# Altium PCB DRS4-PCB.PcbDoc (part 10 of 15) (continued)
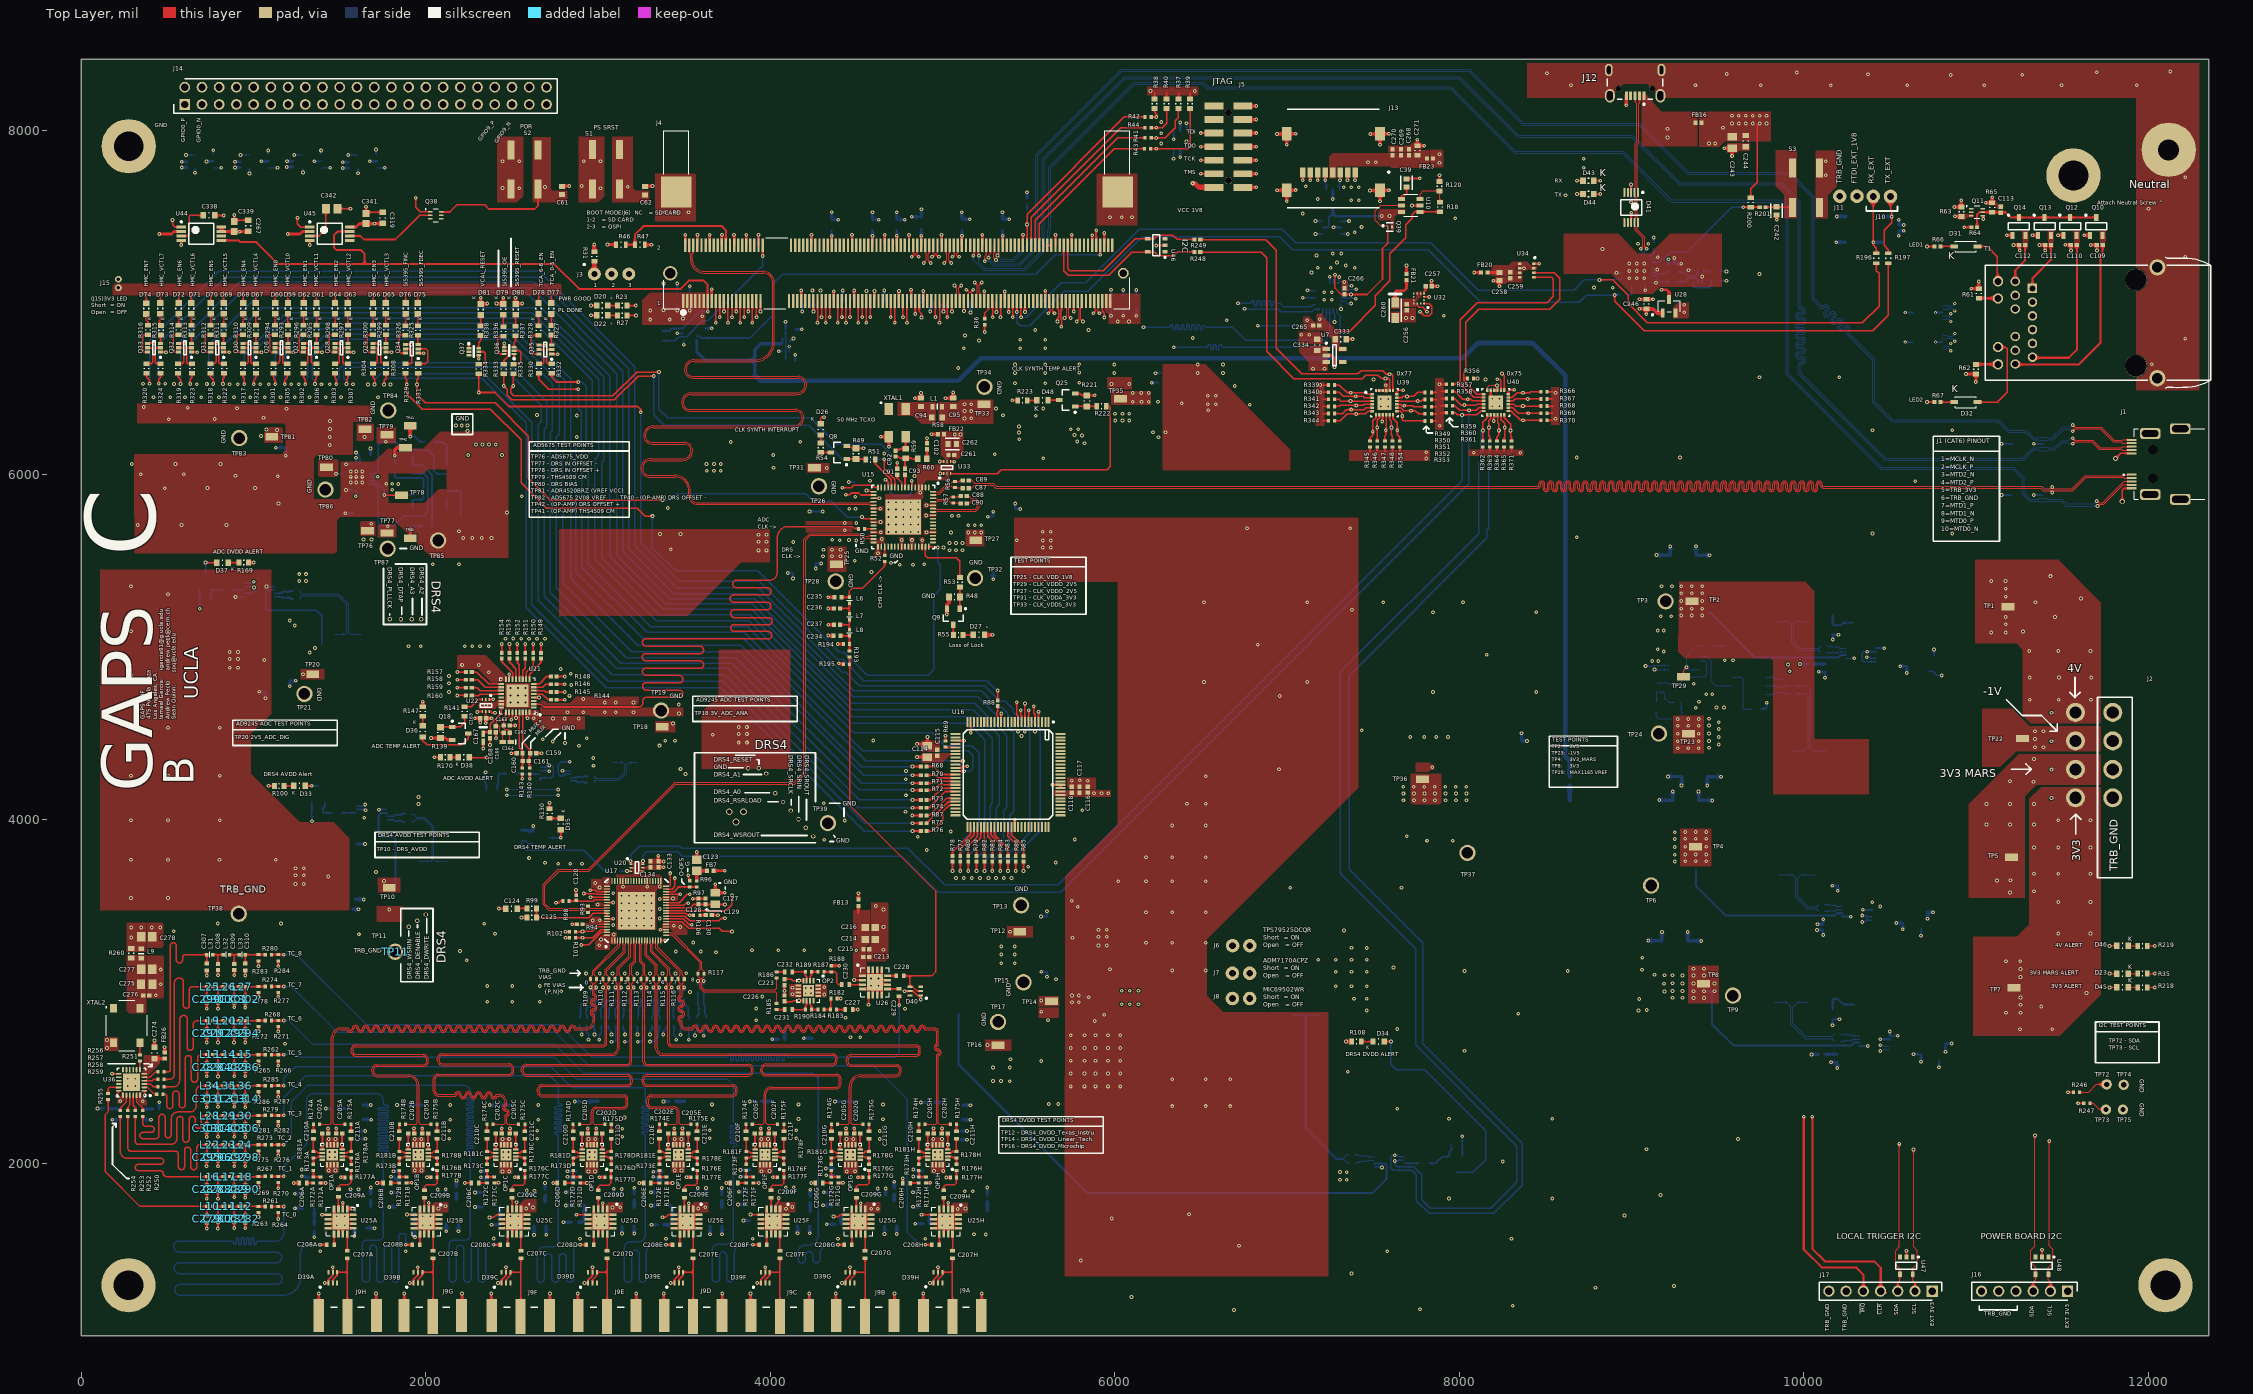
[diagram p0: Top Layer view]
## Nets (pads, with @x,y where several pads share a name; then routed paths per layer and width w, separated by ;. In a path a pad name is that pad's centre, name@x,y a point inside that pad or via, vN(x,y) a via of type N, cw(c..) or ccw(c..) an arc to the next point about the centre after c; other vN are vias at no path point) (continued)
  Bottom Layer w8.72: D50.3@7302.4,7653.15 7302.02,7653.53 7302.02,7683 7304.61,7685.59 7304.61,7706.19 v1(7307.09,7708.66) ; U35.20@7314.34,7066.53 7324.53,7066.53 7352.13,7066.54 7360.35,7074.76 v1@7401.22,7074.76
SD_DAT0: D49.4 J13.7 U35.18 | length 989.3
  Top Layer w8.72: v1@7134.25,7709.02 J13.7@7134.25,7753.74
  Signal Layer 3 w4.8: v1(7133.86,7708.66) 7133.86,7679.21 7133.86,7656.82 cw(c7126.46,7656.82) 7126.46,7649.42 7126.26,7649.42 ccw(c7126.26,7642.02) 7126.26,7634.62 7141.46,7634.62 cw(c7141.46,7627.22) 7141.46,7619.83 7126.26,7619.83 ccw(c7126.26,7612.43) 7126.26,7605.03 7141.46,7605.03 cw(c7141.46,7597.63) 7141.46,7590.23 7126.26,7590.23 ccw(c7126.26,7582.83) 7126.26,7575.44 7126.46,7575.44 cw(c7126.46,7568.04) 7133.86,7568.04 7133.86,7565.64 7133.86,7551.14 7194,7491 7194,7427.07 v1(7164.57,7397.64) 7194,7368.2 7194,7290.86 7203.88,7280.98 7205.58,7279.29 ccw(c7210.81,7284.52) 7216.04,7279.29 7216.18,7279.43 cw(c7221.42,7274.2) 7226.65,7279.43 cw(c7221.42,7274.2) 7226.65,7268.97 7215.9,7258.22 ccw(c7221.13,7252.99) 7215.9,7247.75 ccw(c7221.13,7252.99) 7226.36,7247.75 7237.11,7258.51 cw(c7242.34,7253.27) 7247.57,7258.51 cw(c7242.34,7253.27) 7247.57,7248.04 7236.82,7237.29 ccw(c7242.05,7232.06) 7236.82,7226.83 ccw(c7242.05,7232.06) 7247.28,7226.83 7247.43,7226.97 cw(c7252.66,7221.74) 7257.89,7226.97 7267.93,7216.93 7302.02,7182.85 v1(7302.02,7147.39)
  Bottom Layer w8.72: v1(7164.57,7397.64) D49.4@7206.14,7397.64 ; U35.18@7286.65,7111.8 7296.13,7111.8 7302.02,7117.69 v1(7302.02,7147.39)
SD_DAT1: D49.6 J13.8 U35.16 | length 994.2
  Top Layer w8.72: v1@7090.94,7709.02 J13.8@7090.94,7753.74
  Signal Layer 3 w4.8: v1(7090.55,7708.66) 7090.55,7704.84 7083.13,7697.42 7083.13,7553.88 v1(7164.57,7472.44) 7130.2,7438.08 7130.2,7374.96 7130.2,7362.36 ccw(c7137.6,7362.36) 7137.6,7354.96 7137.8,7354.96 cw(c7137.8,7347.57) 7137.8,7340.17 7122.6,7340.17 ccw(c7122.6,7332.77) 7122.6,7325.37 7137.8,7325.37 cw(c7137.8,7317.97) 7137.8,7310.57 7122.6,7310.57 ccw(c7122.6,7303.18) 7122.6,7295.78 7137.8,7295.78 cw(c7137.8,7288.38) 7137.8,7280.98 7122.6,7280.98 ccw(c7122.6,7273.58) 7122.6,7266.19 7137.8,7266.19 cw(c7137.8,7258.79) 7137.8,7251.39 7122.6,7251.39 ccw(c7122.6,7243.99) 7122.6,7236.59 7122.8,7236.59 cw(c7122.8,7229.2) 7130.2,7229.2 7130.2,7226.8 7130.2,7216.8 7198.42,7148.58 v1(7247.28,7148.58)
  Bottom Layer w8.72: v1(7164.57,7472.44) D49.6@7206.14,7472.44 ; U35.16@7247.28,7111.8 v1(7247.28,7148.58)
SD_DAT2: D49.1 J13.1 U35.23 | length 991.2
  Top Layer w8.72: v1@7394.09,7709.02 J13.1@7394.09,7753.74
  Signal Layer 3 w4.8: v1(7372.68,6993.27) 7432.27,6993.27 7448,7009 7448,7385.49 7361.05,7472.44 v1(7359.69,7472.44) 7393.7,7506.45 v1(7393.7,7708.66)
  Bottom Layer w8.72: U35.23@7312.25,7007.48 7333.74,7007.48 7347.95,6993.27 v1(7372.68,6993.27) ; D49.1@7312.44,7472.44 v1(7359.69,7472.44)
SD_DAT3: D49.3 J13.2 U35.22 | length 1041.5
  Top Layer w8.72: v1@7350.79,7709.02 J13.2@7350.79,7753.74
  Signal Layer 3 w4.8: v1(7350.39,7708.66) 7350.39,7506.39 7326,7482 7326,7458.29 7351.89,7432.4 v1(7351.89,7397.64) 7351.89,7396.54 7368.43,7380 7397,7380 7413,7364 7413,7335.87 7413,7319.49 cw(c7405.6,7319.49) 7405.6,7312.09 ccw(c7405.6,7304.69) 7405.6,7297.29 7415.52,7297.29 cw(c7415.52,7289.9) 7415.52,7282.5 7405.4,7282.5 ccw(c7405.4,7275.1) 7405.4,7267.7 7420.6,7267.7 cw(c7420.6,7260.3) 7420.6,7252.9 7405.4,7252.9 ccw(c7405.4,7245.51) 7405.4,7238.11 7405.6,7238.11 cw(c7405.6,7230.71) 7413,7230.71 7413,7228.31 7413,7155 7423,7145 7423,7045.13 v1(7398.78,7020.91)
  Bottom Layer w8.72: U35.22@7312.25,7027.17 7345.6,7027.17 7348.36,7024.4 7398.78,7024.4 v1(7398.78,7020.91) ; D49.3@7312.44,7397.64 v1(7351.89,7397.64)
SDA: J16.3 J17.3 R246.1 R248.1 U39.20 U40.20 U47.4 U48.4 | length 12072.3
  Top Layer w6: v1(11533.55,2414.93) R246.1@11565.49,2414.92
  Top Layer w6.12: J17.3@10545,1260 10545,1307.8 10557.6,1320.4 U47.4@10557.6,1357.8 10557.6,1391.4 10532,1417 10532,1495 10554.12,1517.12 v1(10554.12,2115.06) ; J16.3@11331,1260 11331,1312 11344.6,1325.6 U48.4@11344.6,1357.8 11344.6,1400.11 11318,1426.71 11318,1498 11341.39,1521.39 v1(11341.39,2163.95)
  Top Layer w7.87: R248.1@6494,7291.74 6850.03,7291.74 6881.26,7260.52 6881.26,6715.55 7038.95,6557.85 7435.33,6557.85 7455.74,6578.25 7526.58,6578.25 7545.73,6559.1 v1(7571.38,6559.1) 7587.5,6559.1 7594.68,6551.93 U39.20@7594.68,6488.66 ; v1(8219.18,6554.86) 8232.84,6554.86 8241.14,6546.55 U40.20@8241.14,6489.72
  Top Layer w10: J17.3@10556.02,1250.91 J17.3@10556.31,1251.19
  Signal Layer 3 w7.25: v1(7571.38,6559.1) 7595.63,6559.1 7601.56,6553.18 7654.21,6553.18 7695.6,6594.57 8162.28,6594.57 8201.99,6554.86 v1(8219.18,6554.86)
  Signal Layer 4 w6.12: v1(8219.18,6554.86) 8355.3,6554.86 8412.43,6497.73 9895.66,6497.73 10934.3,5459.1 10934.3,3693.42 11533.39,3094.33 11533.39,2257.45 11439.9,2163.95 v1(11341.39,2163.95) 11310.22,2163.95 11261.32,2115.06 v1(10554.12,2115.06)
SDA_3V3_INA226: R364.1 U29.4 U40.10 | length 5581.6
  Top Layer w7.87: R364.1@8218.02,6195.2 8218.02,6218.19 8229.19,6229.35 v1(8229.19,6257.13) 8229.19,6294.42 8221.46,6302.15 U40.10@8221.46,6347.99
  Signal Layer 3 w7.25: v1(8229.19,6257.13) v1@8229.19,6261.11 ; v1@8231.42,6254.14 8231.42,6223.72 8200.81,6193.11 8200.81,5573.58 8829.5,4944.89 8829.5,3230.02 9392.22,2667.29 10237.8,2667.29 10305.92,2599.17 10482.38,2599.17 10507.34,2624.13 10507.34,2662.8 10483.13,2687.01 v1(10442.91,2687.01)
  Bottom Layer w5: v1(10442.91,2687.01) 10443.42,2686.5 10459.5,2686.5 10462.87,2683.13 U29.4@10498.49,2683.13
SDA_4V_INA226: R367.1 U30.4 U40.16 | length 3219.1
  Top Layer w7.87: U40.16@8282.48,6428.7 8312.64,6428.7 8323.94,6440 R367.1@8473.9,6440
  Signal Layer 3 w7.25: v1@8396.18,6440 8428.66,6440 8494.17,6505.51 9344.51,6505.51 10305.59,5544.43 10305.59,4996.42 10361.89,4940.12 v1(10365.08,4940.12)
  Bottom Layer w7.87: v1(10365.08,4940.12) 10380.47,4940.12 10386.84,4933.75 U30.4@10419.94,4933.75
  other v1: 8396.18,6439.57
SDA_-1V_MAX116: R369.1 U40.14 U49.6 | length 2402.8
  Top Layer w7.87: U40.14@8282.48,6389.33 8309.21,6389.33 8341.68,6356.86 R369.1@8473.9,6356.85
  Signal Layer 3 w7.25: v1(8399.88,6356.85) 8427.32,6356.85 8442.32,6371.85 8888.57,6371.85 9021,6239.42 9021,4950.07 9081,4890.07 v1(9081,4890)
  Bottom Layer w7.25: v1(9081,4890) 9082.65,4888.35 9120,4888.35 9125.86,4894.2 U49.6@9219.35,4894.2
SDA_ADCINA226_AVDD: R354.1 U23.4 U39.12 | length 6092.1
  Top Layer w7.87: U39.12@7614.37,6346.93 7614.37,6327.59 7639.57,6302.38 v1@7639.57,6267.13 ; v1(7639.57,6258.39) 7639.57,6231.77 7654.43,6216.91 R354.1@7654.43,6195.2
  Signal Layer 3 w7.25: v1@2717.78,4278.11 2741.39,4278.11 2751.21,4287.93 2751.21,4335.77 2810.92,4395.49 4093.67,4395.49 4359.88,4661.7 5280.51,4661.7 5361.08,4742.27 5858.73,4742.27 6640.18,5523.72 7090.71,5523.72 7639.57,6072.57 v1(7639.57,6258.39)
  Bottom Layer w9.84: U23.4@2663.94,4280.9 2714.99,4280.9 v1(2716.81,4279.08)
SDA_ADCINA226_DVDD: R345.1 U24.2 U24.4 U39.7 | length 7672.2
  Top Layer w7.87: R345.1@7480.53,6195.18 7480.53,6211.73 7497.1,6228.3 v1(7497.1,6249.69) 7497.1,6312.23 7515.94,6331.07 U39.7@7515.94,6346.93
  Signal Layer 3 w7.25: v1(1001.54,5344.88) 1028.34,5344.88 1051.43,5321.79 3160.46,5321.79 3244.64,5237.61 3648.95,4833.3 5001.57,4833.3 5062.01,4893.73 5329.52,4893.73 6157.66,5721.87 6157.66,5850.55 6473.66,6166.55 7385.74,6166.55 7468.88,6249.69 v1(7497.1,6249.69)
  Bottom Layer w7.87: U24.2@947.41,5311.02 987.59,5311.02 1001.54,5324.97 v1(1001.54,5344.88) 996.03,5350.39 U24.4@947.41,5350.39
SDA_ADCTMP112: R347.1 U22.4 U22.6 U39.10 | length 6262.9
  Top Layer w7.87: v1(2297.44,4622.91) 2300.01,4625.49 U22.4@2328.25,4625.49 ; U22.6@2367.62,4625.49 2375.42,4625.49 2383.43,4617.48 v1(2401.06,4617.48) ; R347.1@7567.48,6195.18 7567.48,6224.71 7573.15,6230.38 v1(7573.15,6258.39) ; v1@7575,6258.39 U39.10@7575,6346.93
  Signal Layer 3 w7.25: v1@2307.21,4618.43 2561.28,4618.43 2574.7,4631.85 2706.33,4631.85 2716.93,4642.44 2957.74,4642.44 3024.79,4709.48 3172.59,4709.48 3179.58,4702.49 5127.48,4702.49 5204.9,4779.91 5453.34,4779.91 6270.45,5597.02 6573.06,5597.02 6860.61,5884.57 7353.23,5884.57 7573.15,6104.5 v1@7573.15,6257.39
SDA_BME280: R356.1 U34.3 U40.1 | length 1401.1
  Top Layer w7.87: U40.1@8140.75,6468.07 8101.38,6468.07 8025.18,6544.28 8025.18,6590.42 8035.47,6600.72 8035.47,6885.06 8112.17,6961.76 8524.73,6961.76 8582.32,7019.36 8582.32,7140.6 8550.5,7172.42 U34.3@8430.59,7172.42
  Top Layer w9.84: 8026.56,6558.64 R356.1@8046.85,6558.64
SDA_ClkSensorTMP112: R339.1 U33.6 U39.1 | length 2886
  Top Layer w7.87: v1(4983.67,6076.78) 5004.6,6076.78 U33.6@5005.97,6075.41 ; R339.1@7275.35,6520.24 7303.82,6520.24 7347.8,6476.26 v1(7368.43,6476.26) 7454.13,6476.26 7463.38,6467.01 U39.1@7494.29,6467.01
  Power Layer 10 w6.88: v1(4983.67,6076.78) 5007.17,6076.78 5043.72,6113.32 5268.51,6113.32 5355.39,6026.45 6162.28,6026.45 6443.89,6308.05 7089.89,6308.05 7258.1,6476.26 v1(7368.43,6476.26)
SDA_CY8C9560A: R350.1 U16.28 U39.16 | length 4656.9
  Top Layer w7.87: U39.16@7636.02,6427.64 v1(7757.44,6427.64) 7778.07,6427.64 7786.42,6435.98 R350.1@7801.5,6435.98
  Top Layer w9.84: U16.28@5074.09,4455.98 v1(5125.37,4455.98)
  Signal Layer 3 w7.25: v1(5125.37,4455.98) 5176.51,4404.85 6118.99,4404.85 7227.3,4404.85 7817.62,4995.18 7817.62,6043.3 7842.16,6067.84 7842.16,6326.82 7757.44,6411.54 v1(7757.44,6427.64) v1@7757.44,6428.66
SDA_DAC: R343.1 U37.13 U39.5 | length 7824.1
  Top Layer w7.87: R343.1@7275.35,6354.84 7319.76,6354.84 7342.76,6377.83 v1(7371.65,6377.83) 7447.23,6377.83 7457.67,6388.27 U39.5@7494.29,6388.27
  Signal Layer 3 w7.25: v1(1593.78,6098.38) 1630.94,6098.38 1659.78,6069.53 1659.78,5871.6 1623.19,5835.01 1522.75,5835.01 1427.56,5739.81 1427.56,5575.46 1591.91,5411.11 3336.15,5411.11 3752.69,4994.57 5251.28,4994.57 6054.79,5798.09 6054.79,5914.22 6419.13,6278.56 7170.96,6278.56 7270.23,6377.83 v1(7371.65,6377.83)
  Bottom Layer w9.84: v1(1593.78,6098.38) 1596.28,6095.89 U37.13@1596.28,6060.88
SDA_DRS4INA226: R362.1 U19.2 U19.4 U40.7 | length 6340.4
  Top Layer w7.87: R362.1@8135.31,6195.2 8136.8,6196.68 v1(8136.8,6257.13) 8136.8,6304.39 8162.4,6330 U40.7@8162.4,6347.99
  Bottom Layer w7.87: U19.2@7680.98,2021 7646.37,2021 7640.62,2015.25 v1(7625.25,2015.25) 7625.25,1996.65 7640.28,1981.63 U19.4@7680.98,1981.63 7734.69,1981.63 7781.18,1935.13 7781.18,1791.19 7831.22,1741.15 8182.04,1741.15 8333.53,1892.64 8333.53,2101.87 7745.99,2689.41 7745.99,3248.94 7308.97,3685.96 7308.97,4855.27 8111.24,5657.54 8111.24,6065.41 8124.73,6078.91 8124.73,6256.72 8124.88,6256.58 v1@8136.8,6256.58
SDA_DRS4INA226_AVDD: R352.1 U18.4 U39.14 | length 7731.2
  Top Layer w7.87: U39.14@7636.02,6388.27 7636.61,6388.86 7658.31,6388.86 7675.99,6371.18 v1(7719.02,6371.18) 7744.76,6371.18 7762.66,6353.29 R352.1@7801.5,6353.29
  Signal Layer 3 w7.25: v1(1649.24,4052.31) 1687.49,4052.31 1796.64,4161.46 2242.48,4161.46 2264.61,4139.33 v1(2470,4139.33) ; v1(2769.13,4139.33) 2839.2,4139.33 2881.71,4181.84 3036.43,4181.84 4134.13,4181.84 4197.44,4181.84 4550.66,4535.06 6045.92,4535.06 6636.17,4535.06 7727.23,5626.12 7727.23,6362.97 v1(7719.02,6371.18)
  Bottom Layer w7.25: v1(2470,4139.33) v1(2769.13,4139.33)
  Bottom Layer w7.87: U18.4@1596.9,4056.51 1645.03,4056.51 v1(1649.24,4052.31)
SDA_DRS4TMP112: R360.1 U20.6 U40.5 | length 6559.6
  Top Layer w7.87: U20.6@3259.01,3738.23 3259.01,3756.03 v1(3260.55,3757.57) ; R360.1@7960.24,6400.98 7974.14,6400.97 8001.06,6374.06 v1(8055.16,6374.06) 8097.77,6374.06 8113.05,6389.33 U40.5@8140.75,6389.33
  Bottom Layer w7.87: v1(3260.55,3757.57) 3260.55,3790.43 3280.28,3810.17 3462.89,3810.17 3489.31,3783.76 4763.6,3783.76 4970.85,3576.51 5685.16,3576.51 6215.53,4106.87 8055.16,5946.5 v1(8055.16,6374.06)
SDA_LIS3MDLTR: R358.1 U32.11 U40.3 | length 1429.1
  Top Layer w7.87: U32.11@7755.46,6992.92 7755.46,6982.64 7766.18,6971.91 7786.43,6971.91 v1(7811.74,6946.6) ; R358.1@7960.24,6483.66 7972.16,6483.67 8018.39,6437.44 v1(8048.23,6437.44) 8066.44,6437.44 8075.17,6428.7 U40.3@8140.75,6428.7
  Signal Layer 3 w7.25: v1@7804.57,6940.07 7801.04,6936.54 7801.04,6911.6 7898.89,6813.75 8249.91,6813.75 8327.57,6736.08 8327.57,6544.77 8249.39,6466.59 8096.48,6466.59 8067.33,6437.44 v1(8048.23,6437.44)
SDA_SI5395: R341.1 U15.18 U39.3 | length 5387.5
  Top Layer w7.87: R341.1@7275.35,6437.52 7302.15,6437.54 7312.04,6427.64 v1(7367.45,6427.64) U39.3@7494.29,6427.64
  Top Layer w9.84: v1(4437.09,5884.11) 4460.33,5884.11 4470.35,5894.13 4511.78,5894.13 4523.73,5882.18 U15.18@4599.71,5882.18
  Power Layer 10 w6.88: v1(4437.09,5884.11) 4411.83,5884.11 4382.63,5854.91 4382.63,5739.49 4223.09,5579.96 4223.09,4848.5 4290.18,4781.41 5182.43,4781.41 6569.36,6168.35 7068.41,6168.35 7328.25,6428.19 v1@7366.89,6428.19
SDA_Zynq_INA226: R371.1 U14.4 U40.12 | length 4650.1
  Top Layer w7.87: U40.12@8260.83,6347.99 8260.83,6330.02 8296.81,6294.03 v1(8296.81,6257.13) 8296.81,6224.18 8303,6218 8303,6195.52 R371.1@8302.67,6195.2
  Signal Layer 3 w7.25: v1(8296.81,6257.13) 8296.81,6185 8312.86,6168.95 8312.86,5748.03 8941.76,5119.13 8941.76,3937.7 9482.62,3396.83 10010.02,3396.83 10068.65,3455.46 10155.81,3455.46 10253.34,3357.93 10366.32,3357.93 10375.82,3367.44 10375.82,3431.65 10367.18,3440.29 v1(10338.5,3440.29)
  Bottom Layer w7.87: v1(10338.5,3440.29) 10355.34,3440.29 10361.34,3434.29 U14.4@10397.27,3434.29
SDIO_CLK: R36.2 U35.9 | length 2513.9
  Top Layer w8.72: v1(5243.98,6828.75) R36.2@5243.98,6870.06
  Signal Layer 3 w4.8: v1(5243.98,6828.75) 5243.98,6644.28 5322.31,6565.95 6878.46,6565.95 7035.1,6722.59 7035.1,6971.71 v1(7090.55,7027.17)
  Bottom Layer w8.72: v1(7090.55,7027.17) U35.9@7162.64,7027.16
Si5395_FDEC: R331.1 U15.25 U16.10 | length 5074.4
  Top Layer w7.87: R331.1@1955.59,6589.45 1955.59,6557.19 1948.36,6549.95 v1(1948.36,6523.03) 1948.36,6465.69 1997.73,6416.31 2401.58,6416.31 2593.59,6224.3 2593.59,5980.4 2719.9,5854.09 2720.91,5853.08 v1(3374.24,5853.08) ; v1@4533.42,5754.22 4543.26,5744.38 U15.25@4599.71,5744.38 ; v1@5430.06,4674.56 5430.06,4609.93 5438.27,4601.72 U16.10@5438.27,4564.25
  Signal Layer 4 w6.12: v1(4531.59,5754.22) 4531.59,5162.84 4777.94,4916.48 5228.74,4916.48 5429.47,4715.75 v1(5429.47,4678.23) v1@5429.7,4677.99
  Bottom Layer w7.87: v1(3374.24,5853.08) 3416.25,5853.08 3452.93,5889.77 4205.48,5889.77 4249.27,5845.98 4353.7,5845.98 4445.45,5754.22 v1(4531.59,5754.22)
Si5395_FINC: R329.2 U15.48 U16.7 | length 6188.4
  Top Layer w7.87: R329.2@1880.79,6589.45 1880.79,6560.16 1888.36,6552.6 v1(1888.36,6523.03) 1888.36,6470.46 1978.41,6380.41 2374.83,6380.41 2553.57,6201.67 2553.57,5954.12 2702.05,5805.64 3226,5805.64 3272.07,5759.57 v1(3315.16,5759.57) ; U15.48@4919.6,5581.98 4939,5581.98 4943.23,5577.74 v1@4971.32,5577.74 ; U16.7@5497.32,4564.25 5497.32,4601.31 5499.71,4603.7 v1(5499.71,4633.19)
  Signal Layer 4 w6.12: v1@4971.32,5577.74 4971.32,5551.57 5030.42,5492.47 5030.42,5416.57 5283.65,5163.34 5359.55,5163.34 5499.71,5023.18 v1(5499.71,4633.19)
  Bottom Layer w7.87: v1(3315.16,5759.57) 3315.16,5577.19 3450.16,5442.19 3927.81,5442.19 4399.57,4970.43 4427.08,4970.43 4562.5,4835.01 4915.15,4835.01 4947.16,4867.02 4947.16,5295.83 4986.87,5335.55 4986.87,5475.93 4971.32,5491.48 v1@4971.32,5577.74
  other v1: 4971.32,5577.76
Si5395_O\E\: R333.1 U15.11 U16.9 | length 5113.5
  Top Layer w7.87: R333.1@2452.18,6586.61 v1(2452.18,6514.41) 2471.5,6495.09 2471.5,6462.59 2499.67,6434.42 3094.59,6434.42 3233.08,6572.91 v1(3323.23,6572.91) ; v1(4661.65,6088.95) 4661.67,6035.16 4722.75,5974.08 U15.11@4722.75,5926.47 ; 5452.85,4605.91 5452.85,4605.62 5457.95,4600.52 U16.9@5457.95,4564.25 ; 5452.83,4605.93 5452.83,4628.85 5457,4633.02 v1@5455.58,4633.02 ; v1(5453.51,4633.02) v1@5455.58,4633.02 ; v1@5456.83,4634.27 v1@5455.58,4633.02
  Signal Layer 4 w6.12: v1(4661.65,6088.95) 4646.11,6088.95 4630.24,6073.07 4630.24,5962.8 4586.97,5919.53 4586.97,5519.29 4626.69,5479.57 4626.69,5114.06 4790.28,4950.47 5245.48,4950.47 5456.83,4739.12 5453.51,4735.81 v1(5453.51,4633.02)
  Bottom Layer w7.87: v1(3323.23,6572.91) 3323.23,6347.9 3384.96,6286.17 4221.28,6286.17 4418.5,6088.95 v1(4661.65,6088.95)
Si5395_R\S\T\: R335.2 U15.6 U16.8 | length 4962.1
  Top Layer w7.87: R335.2@2507.5,6586.61 v1(2507.5,6514.41) 2491.54,6498.44 2491.54,6474.75 2509.1,6457.19 3085.16,6457.19 3223.65,6595.67 v1(3353.26,6595.67) ; U15.6@4821.17,5926.47 4821.17,5963.91 v1@4821.83,5964.57 ; v1(5477.64,4671.34) U16.8@5477.64,4564.25 U16.8@5479.55,4566.15
  Signal Layer 4 w6.12: v1(4821.18,5964.57) 4916.21,5964.57 4942.08,5938.69 4942.08,5517.86 4990.48,5469.46 4990.48,5388.03 5250.84,5127.67 5332.27,5127.67 5462.33,4997.61 5462.33,4793.26 5477.64,4777.94 v1(5477.64,4671.34)
  Bottom Layer w7.87: v1(3353.26,6595.67) 3353.26,6380.95 3404.83,6329.37 4231.03,6329.37 4384.1,6176.3 4643,6176.3 4696.53,6122.78 4696.53,5896.64 4715.93,5877.24 4803.26,5877.24 4821.18,5895.16 v1(4821.18,5964.57)
TC_0: C208A.2 R261.2 R264.2 | length 4980
  Top Layer w8.72: R261.2@1102.78,1751.31 v1(1175.1,1751.33)
  Top Layer w9.5: v1(1385.71,1529.46) C208A.2@1421.93,1529.46
  Bottom Layer w8.72: 565.01,1487.33 566.08,1487.33 1131.24,1487.33 1132.31,1487.33 ; 566.08,1487.57 cw(c566.08,1518.78) 534.87,1518.78 cw(c566.08,1518.78) 566.08,1549.99 600.71,1549.99 856.21,1549.99 874.44,1549.99 cw(c874.44,1541.27) 883.16,1541.27 883.16,1540.15 ccw(c890.52,1540.15) 897.88,1540.15 897.88,1562.63 cw(c905.24,1562.63) 912.6,1562.63 912.6,1537.35 ccw(c919.96,1537.35) 927.32,1537.35 927.32,1562.63 cw(c934.68,1562.63) 942.04,1562.63 942.04,1537.35 ccw(c949.4,1537.35) 956.76,1537.35 956.76,1562.63 cw(c964.12,1562.63) 971.48,1562.63 971.48,1537.35 ccw(c978.84,1537.35) 986.2,1537.35 986.2,1562.63 cw(c993.56,1562.63) 1000.92,1562.63 1000.92,1537.35 ccw(c1008.28,1537.35) 1015.64,1537.35 1015.64,1541.27 cw(c1024.36,1541.27) 1024.36,1549.99 1028.72,1549.99 1107.27,1549.99 1128.07,1549.99 ccw(c1128.07,1597.02) 1175.1,1597.02 v1(1175.1,1751.33) ; 568.18,1362 569.25,1362 1134.41,1362 1135.48,1362 ; 569.25,1362.24 cw(c569.25,1393.45) 538.04,1393.45 cw(c569.25,1393.45) 569.25,1424.66 1131.24,1424.66 ccw(c1131.24,1455.87) 1162.45,1455.87 ccw(c1131.24,1455.87) 1131.24,1487.09 ; 571.35,1236.67 572.42,1236.67 1171.6,1236.67 ccw(c1171.6,1336.67) 1271.6,1336.67 1271.6,1478.44 cw(c1322.63,1478.44) 1322.63,1529.46 v1(1385.71,1529.46) ; 572.42,1236.9 cw(c572.42,1268.12) 541.21,1268.12 cw(c572.42,1268.12) 572.42,1299.33 1134.41,1299.33 ccw(c1134.41,1330.54) 1165.62,1330.54 ccw(c1134.41,1330.54) 1134.41,1361.76
TC_1: C208B.2 R267.2 R270.2 | length 4609.7
  Top Layer w8.72: R267.2@1102.78,1926.71 R270.2@1142.58,1926.71 v1(1175.1,1926.71)
  Top Layer w9.5: v1(1883.66,1529.46) C208B.2@1919.88,1529.46
  Bottom Layer w8.72: v1@1175.1,1935.16 1175.1,1982.12 1308.2,2115.22 1308.2,2370.6 cw(c1343.39,2370.6) 1343.39,2405.79 1715.14,2405.79 cw(c1715.14,2368.06) 1748.2,2386.24 cw(c1715.14,2368.06) 1752.87,2368.06 1752.87,2353.41 1752.87,2349.05 ccw(c1761.59,2349.05) 1761.59,2340.33 1775.51,2340.33 cw(c1775.51,2332.97) 1775.51,2325.61 1730.23,2325.61 ccw(c1730.23,2318.25) 1730.23,2310.89 1775.51,2310.89 cw(c1775.51,2303.53) 1775.51,2296.17 1730.23,2296.17 ccw(c1730.23,2288.81) 1730.23,2281.45 1775.51,2281.45 cw(c1775.51,2274.09) 1775.51,2266.73 1730.23,2266.73 ccw(c1730.23,2259.37) 1730.23,2252.01 1775.51,2252.01 cw(c1775.51,2244.65) 1775.51,2237.29 1730.23,2237.29 ccw(c1730.23,2229.93) 1730.23,2222.57 1775.51,2222.57 cw(c1775.51,2215.21) 1775.51,2207.85 1730.23,2207.85 ccw(c1730.23,2200.49) 1730.23,2193.13 1775.51,2193.13 cw(c1775.51,2185.77) 1775.51,2178.41 1730.23,2178.41 ccw(c1730.23,2171.05) 1730.23,2163.69 1775.51,2163.69 cw(c1775.51,2156.33) 1775.51,2148.97 1730.23,2148.97 ccw(c1730.23,2141.61) 1730.23,2134.25 1775.51,2134.25 cw(c1775.51,2126.89) 1775.51,2119.53 1730.23,2119.53 ccw(c1730.23,2112.17) 1730.23,2104.81 1775.51,2104.81 cw(c1775.51,2097.45) 1775.51,2090.09 1730.23,2090.09 ccw(c1730.23,2082.73) 1730.23,2075.37 1775.51,2075.37 cw(c1775.51,2068.01) 1775.51,2060.65 1761.59,2060.65 ccw(c1761.59,2051.93) 1752.87,2051.93 1752.87,2035.87 1752.87,1947.98 1752.87,1581.95 cw(c1727.63,1581.95) 1727.63,1556.71 1657.78,1556.71 ccw(c1657.78,1529.24) 1630.31,1529.24 1630.31,1333.64 ccw(c1651.58,1333.64) 1651.58,1312.36 ccw(c1651.58,1333.64) 1672.86,1333.64 1672.86,1505.81 cw(c1694.14,1505.81) 1694.14,1527.09 cw(c1694.14,1505.81) 1715.42,1505.81 1715.42,1333.64 ; 1757.97,1333.47 1757.97,1333.64 ; 1843.09,1572.95 1843.09,1333.64 cw(c1821.81,1333.64) 1821.81,1312.36 cw(c1821.81,1333.64) 1800.53,1333.64 1800.53,1505.81 ccw(c1779.25,1505.81) 1779.25,1527.09 ccw(c1779.25,1505.81) 1757.97,1505.81 1757.97,1333.64 ; 1843.32,1572.95 1843.32,1581.75 cw(c1855.62,1581.75) 1855.62,1594.05 1869.93,1594.05 cw(c1869.93,1580.31) 1883.66,1580.31 v1(1883.66,1529.46) ; 1715.42,1333.47 cw(c1736.7,1333.64) 1715.42,1333.64 ; 1715.42,1333.47 ccw(c1736.7,1333.64) 1736.7,1312.36 ccw(c1736.7,1333.64) 1757.97,1333.64 ; 1715.42,1333.47 1715.42,1333.64
TC_2: C208C.2 R273.2 R276.2 | length 4682.5
  Top Layer w8.72: R273.2@1102.78,2109.94 v1@1175.08,2109.94 ; v1(2393.35,1529.48) 2431.07,1529.48 C208C.2@2431.12,1529.43
  Bottom Layer w8.72: v1(1175.1,2109.95) 1218.86,2153.72 1218.86,2361.03 1312.41,2454.57 2219.12,2454.57 cw(c2219.12,2416.84) 2256.85,2416.84 ; 2257.05,2416.84 2257.05,2410.65 2257.05,2406.29 ccw(c2265.77,2406.29) 2265.77,2397.57 2269.69,2397.57 cw(c2269.69,2390.21) 2269.69,2382.85 2244.41,2382.85 ccw(c2244.41,2375.49) 2244.41,2368.13 2269.69,2368.13 cw(c2269.69,2360.77) 2269.69,2353.41 2244.41,2353.41 ccw(c2244.41,2346.05) 2244.41,2338.69 2269.69,2338.69 cw(c2269.69,2331.33) 2269.69,2323.97 2244.41,2323.97 ccw(c2244.41,2316.61) 2244.41,2309.25 2269.69,2309.25 cw(c2269.69,2301.89) 2269.69,2294.53 2244.41,2294.53 ccw(c2244.41,2287.17) 2244.41,2279.81 2269.69,2279.81 cw(c2269.69,2272.45) 2269.69,2265.09 2244.41,2265.09 ccw(c2244.41,2257.73) 2244.41,2250.37 2269.69,2250.37 cw(c2269.69,2243.01) 2269.69,2235.65 2244.41,2235.65 ccw(c2244.41,2228.29) 2244.41,2220.93 2269.69,2220.93 cw(c2269.69,2213.57) 2269.69,2206.21 2244.41,2206.21 ccw(c2244.41,2198.85) 2244.41,2191.49 2269.69,2191.49 cw(c2269.69,2184.13) 2269.69,2176.77 2244.41,2176.77 ccw(c2244.41,2169.41) 2244.41,2162.05 2269.69,2162.05 cw(c2269.69,2154.69) 2269.69,2147.33 2244.41,2147.33 ccw(c2244.41,2139.97) 2244.41,2132.61 2269.69,2132.61 cw(c2269.69,2125.25) 2269.69,2117.89 2244.41,2117.89 ccw(c2244.41,2110.53) 2244.41,2103.17 2269.69,2103.17 cw(c2269.69,2095.81) 2269.69,2088.45 2244.41,2088.45 ccw(c2244.41,2081.09) 2244.41,2073.73 2269.69,2073.73 cw(c2269.69,2066.37) 2269.69,2059.01 2265.77,2059.01 ccw(c2265.77,2050.29) 2257.05,2050.29 2257.05,2031.05 2257.05,1582.2 cw(c2231.81,1582.2) 2231.81,1556.96 2161.96,1556.96 ccw(c2161.96,1529.49) 2134.48,1529.49 2134.48,1333.89 ccw(c2155.76,1333.89) 2155.76,1312.61 ccw(c2155.76,1333.89) 2177.04,1333.89 2177.04,1506.06 cw(c2198.31,1506.06) 2198.31,1527.34 cw(c2198.31,1506.06) 2219.59,1506.06 2219.59,1333.89 ; 2262.15,1333.72 2262.15,1506.06 cw(c2283.43,1506.06) 2283.43,1527.34 cw(c2283.43,1506.06) 2304.7,1506.06 2304.7,1333.89 ccw(c2325.98,1333.89) 2325.98,1312.61 ccw(c2325.98,1333.89) 2347.26,1333.89 2347.26,1505.94 cw(c2370.74,1505.94) 2370.74,1529.43 v1@2393.33,1529.43 ; 2262.15,1333.89 cw(c2240.87,1333.89) 2240.87,1312.61 cw(c2240.87,1333.89) 2219.59,1333.72 ; 2219.59,1333.72 cw(c2240.87,1333.89) 2219.59,1333.89 ; 2219.59,1333.72 2219.59,1333.89
TC_3: C208D.2 R279.2 R282.2 | length 4542.8
  Top Layer w8.72: R279.2@1102.78,2280.64 R282.2@1142.58,2280.64 v1(1175.1,2280.64)
  Top Layer w9.5: v1(2894.06,1529.48) C208D.2@2930.27,1529.48
  Bottom Layer w8.72: v1(1175.1,2280.64) 1175.1,2383.94 1302.65,2511.49 1352.41,2511.49 2719.2,2511.49 2728.29,2502.4 2768.23,2462.46 2768.23,2359.93 2768.23,2355.57 ccw(c2776.95,2355.57) 2776.95,2346.85 2780.87,2346.85 cw(c2780.87,2339.49) 2780.87,2332.13 2755.59,2332.13 ccw(c2755.59,2324.77) 2755.59,2317.41 2780.87,2317.41 cw(c2780.87,2310.05) 2780.87,2302.69 2755.59,2302.69 ccw(c2755.59,2295.33) 2755.59,2287.97 2780.87,2287.97 cw(c2780.87,2280.61) 2780.87,2273.25 2755.59,2273.25 ccw(c2755.59,2265.89) 2755.59,2258.53 2780.87,2258.53 cw(c2780.87,2251.17) 2780.87,2243.81 2755.59,2243.81 ccw(c2755.59,2236.45) 2755.59,2229.09 2780.87,2229.09 cw(c2780.87,2221.73) 2780.87,2214.37 2755.59,2214.37 ccw(c2755.59,2207.01) 2755.59,2199.65 2780.87,2199.65 cw(c2780.87,2192.29) 2780.87,2184.93 2755.59,2184.93 ccw(c2755.59,2177.57) 2755.59,2170.21 2759.51,2170.21 cw(c2759.51,2161.49) 2768.23,2161.49 2768.23,2147.77 2768.23,1545.66 cw(c2741.05,1545.66) 2741.05,1518.48 2691.96,1518.48 ccw(c2691.96,1472.19) 2645.66,1472.19 2645.66,1333.67 ccw(c2666.94,1333.67) 2666.94,1312.39 ccw(c2666.94,1333.67) 2688.22,1333.67 2688.22,1455.96 cw(c2709.49,1455.96) 2709.49,1477.24 cw(c2709.49,1455.96) 2730.77,1455.96 2730.77,1333.67 ; 2773.33,1333.5 2773.33,1333.67 ; v1(2894.06,1529.48) 2874.72,1529.48 ccw(c2874.72,1513.2) 2858.44,1513.2 2858.44,1333.67 cw(c2837.16,1333.67) 2837.16,1312.39 cw(c2837.16,1333.67) 2815.88,1333.67 2815.88,1455.96 ccw(c2794.61,1455.96) 2794.61,1477.24 ccw(c2794.61,1455.96) 2773.33,1455.96 2773.33,1333.67 ; 2730.77,1333.5 ccw(c2752.05,1333.67) 2752.05,1312.39 ccw(c2752.05,1333.67) 2773.33,1333.67 ; 2730.77,1333.5 cw(c2752.05,1333.67) 2730.77,1333.67 ; 2730.77,1333.5 2730.77,1333.67
TC_4: C208E.2 R285.2 R287.2 | length 4704.7
  Top Layer w8.72: R285.2@1102.78,2453.09 R287.2@1142.58,2453.09 v1(1175.1,2453.09)
  Top Layer w9.5: v1(3393.9,1529.5) C208E.2@3430.12,1529.5
  Bottom Layer w8.72: v1@1171.31,2449.29 v1(1175.1,2453.09) 1175.1,2497.17 1241.37,2563.44 1267.31,2563.44 1754.37,2563.44 2467.63,2563.45 2701.58,2563.45 2725.72,2563.45 2846.84,2442.32 2878.52,2442.32 3245.18,2442.32 3263.13,2442.32 3273.78,2431.67 3273.78,2382.49 3273.78,2361.57 3273.78,2357.21 ccw(c3282.5,2357.21) 3282.5,2348.49 3286.42,2348.49 cw(c3286.42,2341.13) 3286.42,2333.77 3261.14,2333.77 ccw(c3261.14,2326.41) 3261.14,2319.05 3286.42,2319.05 cw(c3286.42,2311.69) 3286.42,2304.33 3261.14,2304.33 ccw(c3261.14,2296.97) 3261.14,2289.61 3286.42,2289.61 cw(c3286.42,2282.25) 3286.42,2274.89 3261.14,2274.89 ccw(c3261.14,2267.53) 3261.14,2260.17 3286.42,2260.17 cw(c3286.42,2252.81) 3286.42,2245.45 3261.14,2245.45 ccw(c3261.14,2238.09) 3261.14,2230.73 3286.42,2230.73 cw(c3286.42,2223.37) 3286.42,2216.01 3261.14,2216.01 ccw(c3261.14,2208.65) 3261.14,2201.29 3286.42,2201.29 cw(c3286.42,2193.93) 3286.42,2186.57 3261.14,2186.57 ccw(c3261.14,2179.21) 3261.14,2171.85 3265.06,2171.85 cw(c3265.06,2163.13) 3273.78,2163.13 3273.78,2142.91 3273.78,1974.91 3273.78,1585.76 cw(c3235.07,1585.76) 3235.07,1547.04 3184.05,1547.04 ccw(c3184.05,1515.52) 3152.53,1515.52 3152.53,1333.66 ccw(c3173.81,1333.66) 3173.81,1312.38 ccw(c3173.81,1333.66) 3195.09,1333.66 3195.09,1477.48 cw(c3216.36,1477.48) 3216.36,1498.76 cw(c3216.36,1477.48) 3237.64,1477.48 3237.64,1333.66 ccw(c3258.92,1333.66) 3258.92,1312.38 ccw(c3258.92,1333.66) 3280.2,1333.66 3280.2,1488.56 cw(c3321.14,1488.56) 3321.14,1529.5 v1(3393.9,1529.5)